# Altium PCB VOU_SOM_CV_V0.0.1.PcbDoc (part 4 of 5) (continued)
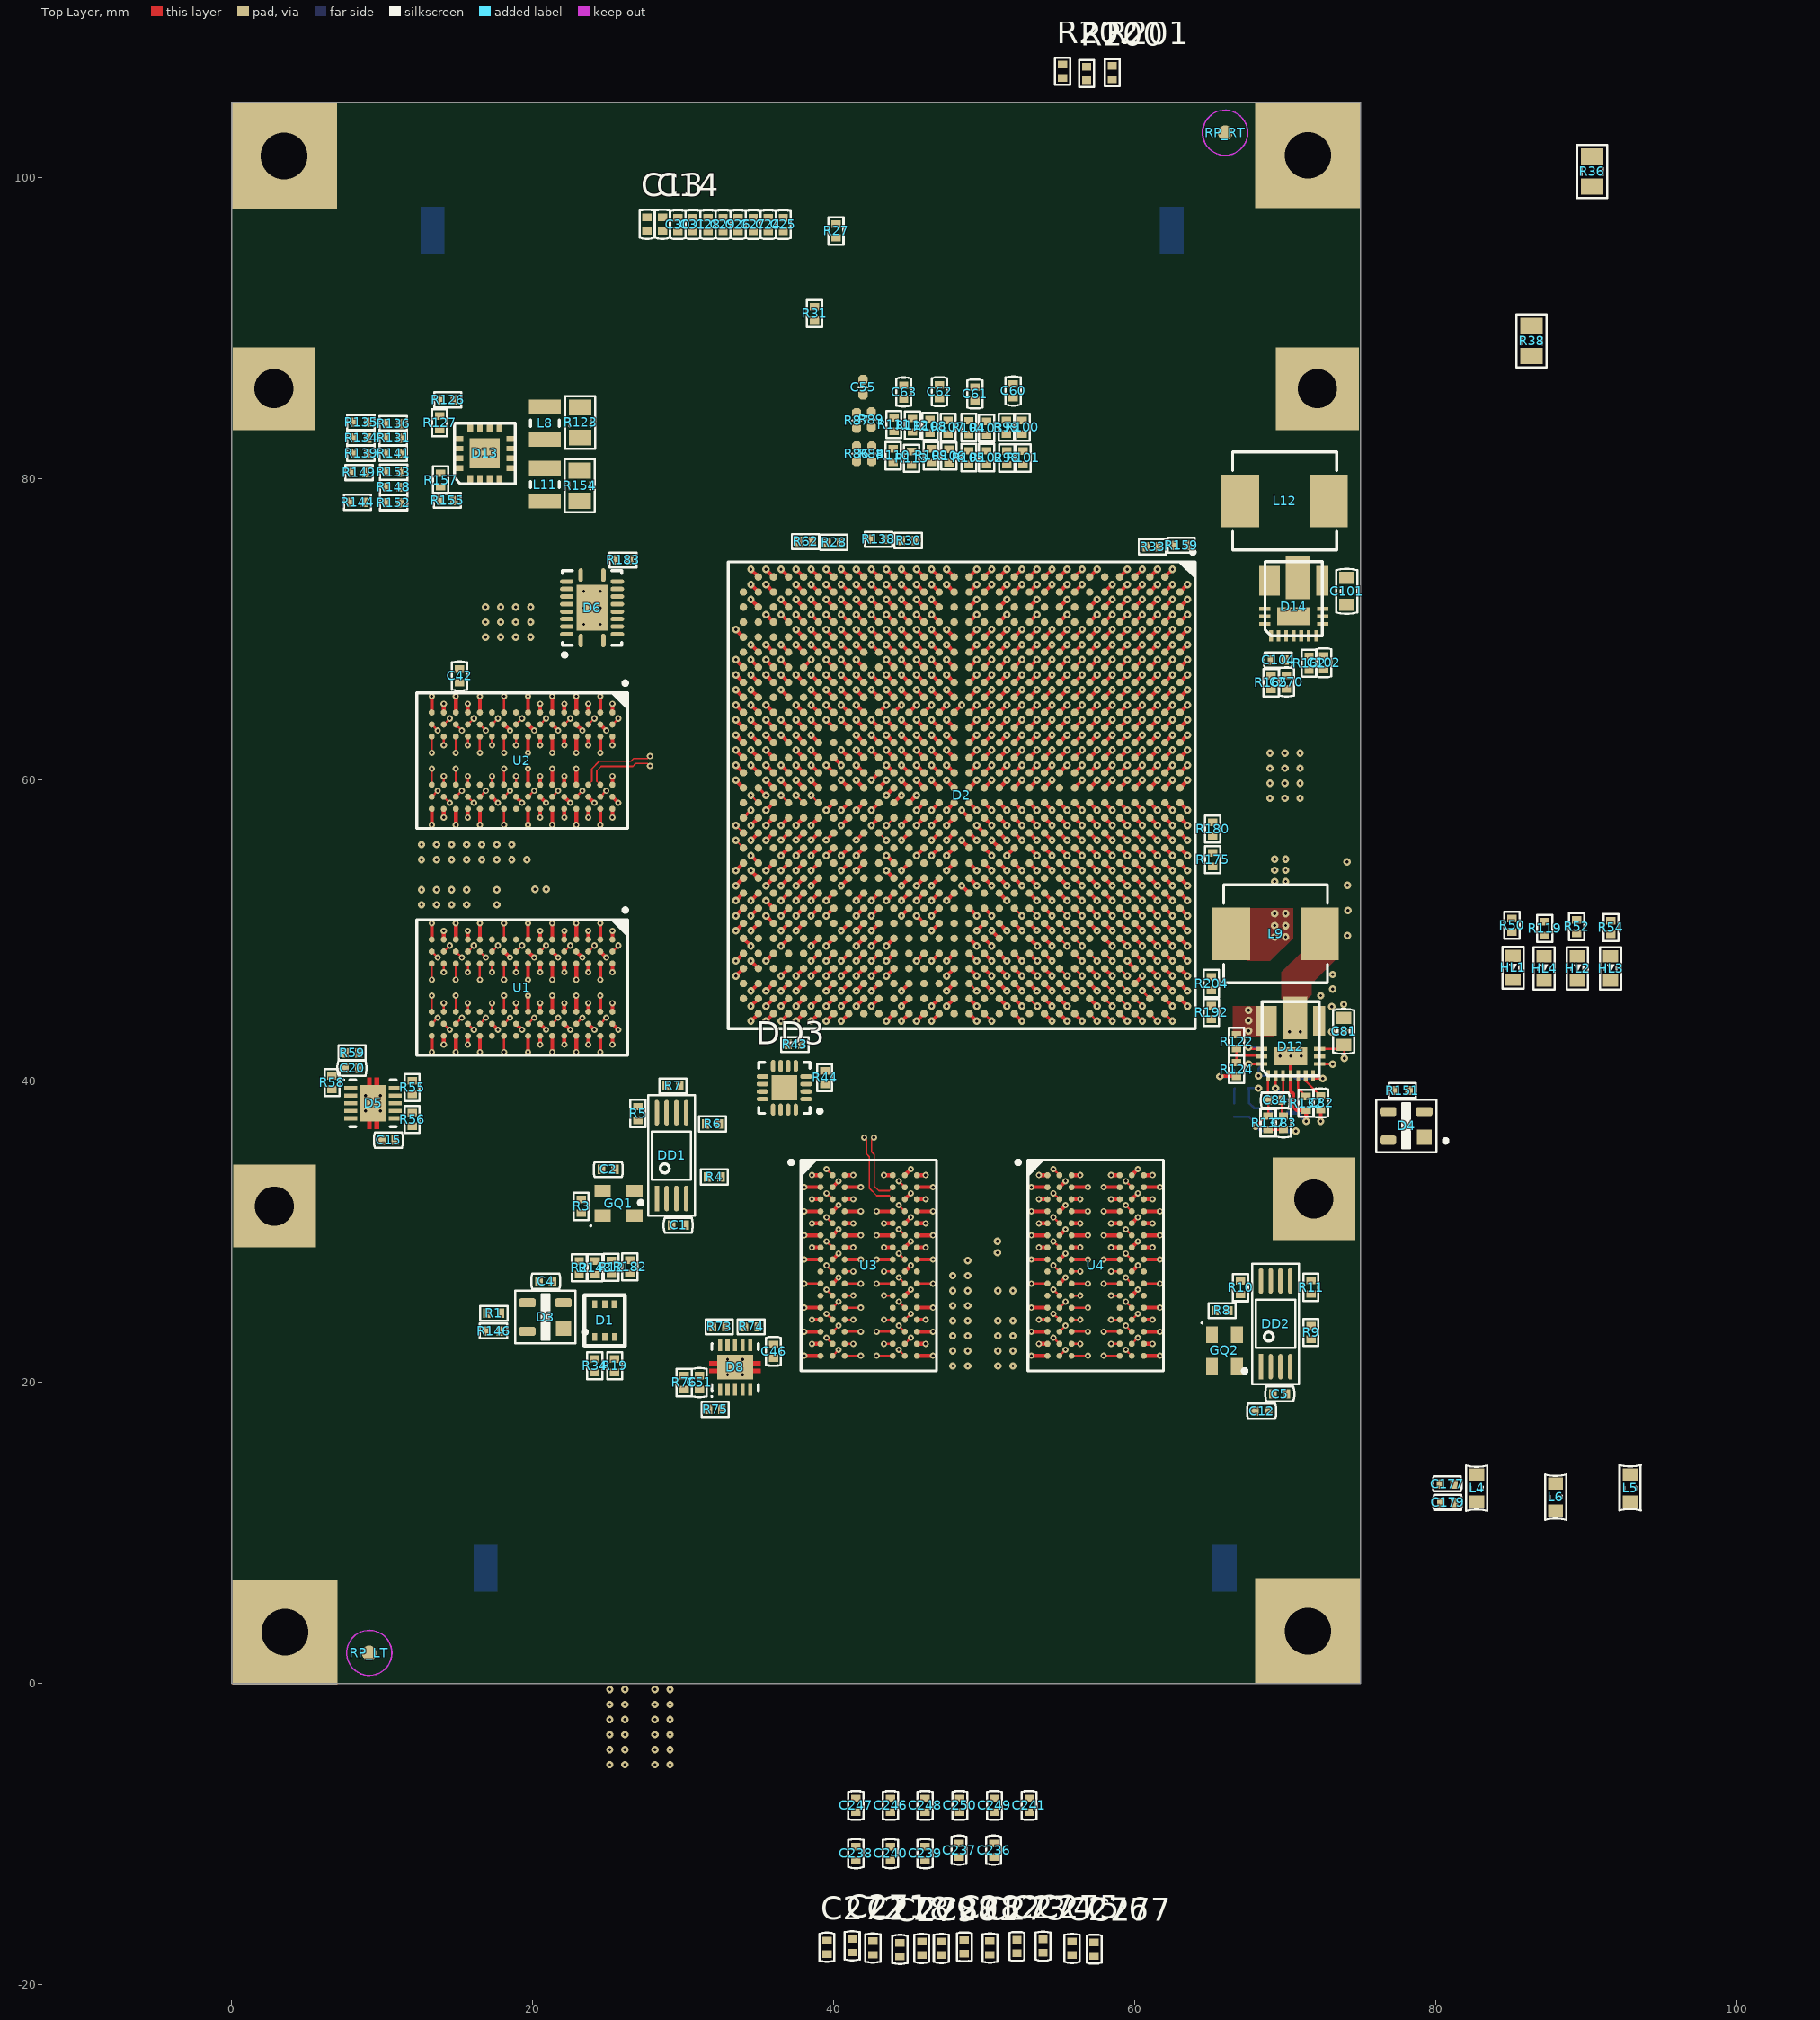
[diagram p0: Top Layer view]
## Nets (pads, with @x,y where several pads share a name; then routed paths per layer and width w, separated by ;. In a path a pad name is that pad's centre, name@x,y a point inside that pad or via, vN(x,y) a via of type N, cw(c..) or ccw(c..) an arc to the next point about the centre after c; other vN are vias at no path point) (continued)
HPS_DDR_D7: D2.G28 U4.H7 | length 21.8
  Top Layer w0.25: D2.G28@57,46.5 v1(57.5,46) ; v2(57.925,28.175) U4.H7@59,28.175
  INT3 w0.11: 57.8,45.65 58,45.45 58,43.05 60.65,40.4 60.65,30.55 58.275,28.175 v2(57.925,28.175)
HPS_DDR_D8: D2.M26 U4.D7 | length 22.8
  Top Layer w0.25: D2.M26@52,48.5 v1(52.5,48) ; v2(57.925,31.375) U4.D7@59,31.375
  INT2 w0.11: 52.85,47.7 53.05,47.5 55.65,47.5 56.075,47.075 56.075,37.4 58.975,34.5 58.975,32.05 58.3,31.375 v2(57.925,31.375)
HPS_DDR_D9: D2.M30 U4.C3 | length 14.6
  Top Layer w0.25: D2.M30@52,44.5 v1(52.5,44) ; U4.C3@55.8,32.175 v2(56.375,32.175)
  INT2 w0.11: 52.525,43.525 52.525,36.15 54.125,34.55 54.125,33.8 55.75,32.175 v2(56.375,32.175)
HPS_DDR_D10: D2.L26 U4.C8 | length 22.2
  Top Layer w0.25: D2.L26@53,48.5 53.498,48.002 v1(53.528,48.002) ; U4.C8@59.8,32.175 v2(60.2,32.575)
  INT2 w0.11: 53.85,48.325 54.05,48.525 57.7,48.525 58,48.225 58,37.3 59.825,35.475 59.825,32.95 v2(60.2,32.575)
HPS_DDR_D11: D2.M27 U4.C2 | length 16.8
  Top Layer w0.15: v2(54.6,32.575) U4.C2@55,32.175
  Top Layer w0.25: D2.M27@52,47.5 v1(52.5,47)
  INT2 w0.11: 52.2,46.7 52,46.5 52,34.75 54.175,32.575 v2(54.6,32.575)
HPS_DDR_D12: D2.K27 U4.A7 | length 15.6
  Top Layer w0.25: D2.K27@54,47.5 v1(54.5,47) ; v2(58.425,33.775) U4.A7@59,33.775
  INT2 w0.11: 54.825,46.65 54.975,46.5 54.975,37.225 v2(58.425,33.775)
HPS_DDR_D13: D2.L28 U4.A2 | length 14
  Top Layer w0.15: v2(54.6,34.175) U4.A2@55,33.775
  Top Layer w0.25: D2.L28@53,46.5 v1(53.5,46)
  INT2 w0.11: 53.075,46.262 53.075,36.25 54.6,34.725 v2(54.6,34.175)
HPS_DDR_D14: D2.K26 U4.B8 | length 18.4
  Top Layer w0.15: v2(59.4,33.375) U4.B8@59.8,32.975
  Top Layer w0.25: D2.K26@54,48.5 v1(54.5,48)
  INT2 w0.11: 55.025,48 55.7,48 56.175,47.525 56.75,47.525 56.95,47.325 56.95,37.475 59.4,35.025 v2(59.4,33.375)
HPS_DDR_D15: D2.K29 U4.A3 | length 13.3
  Top Layer w0.25: D2.K29@54,45.5 v1(54.5,45) ; U4.A3@55.8,33.775 v2(56.375,33.775)
  INT2 w0.11: 54.375,44.6 54.375,44.55 53.875,44.05 53.875,37.2 56.375,34.7 v2(56.375,33.775)
HPS_DDR_D16: D2.T26 U3.E3 | length 21.2
  Top Layer w0.25: U3.E3@40.725,30.575 v2(41.3,30.575) ; v1(47.5,48) D2.T26@48,48.5
  INT4 w0.11: v2(41.3,30.575) 40.825,31.05 40.825,36.125 47,42.3 47,47.5 47.2,47.7
HPS_DDR_D17: D2.R29 U3.F7 | length 20
  Top Layer w0.25: v2(42.85,29.775) U3.F7@43.925,29.775 ; D2.R29@49,45.5 v1(49.5,45)
  INT4 w0.11: v2(42.85,29.775) 43.275,29.775 43.85,30.35 43.85,34.525 50.025,40.7 50.025,44.5 49.825,44.7
HPS_DDR_D18: D2.U26 U3.F2 | length 21.5
  Top Layer w0.25: U3.F2@39.925,29.775 v2(40.325,30.175) ; v1(46.5,48) D2.U26@47,48.5
  INT4 w0.11: v2(40.325,30.175) 39.95,30.55 39.95,35.8 46,41.85 46,47.5 46.2,47.7
HPS_DDR_D19: D2.P27 U3.F8 | length 21.1
  Top Layer w0.15: v2(44.325,30.175) U3.F8@44.725,29.775
  Top Layer w0.25: D2.P27@50,47.5 v1(50.5,47)
  INT4 w0.11: v2(44.325,30.175) 44.325,31.2 44.75,31.625 44.75,34.825 50.975,41.05 50.975,44.275 50,45.25 50,46.55 50.175,46.725
HPS_DDR_D20: D2.N27 U3.H3 | length 29.2
  Top Layer w0.25: U3.H3@40.725,28.175 v2(41.8,28.175) ; D2.N27@51,47.5 v1(51.5,47)
  INT4 w0.11: v2(41.8,28.175) 42.2,27.775 44.275,27.775 44.75,27.3 45.25,27.3 45.75,27.8 45.75,28 47.475,29.725 47.475,35.575 53.05,41.15 53.05,46.15 52.725,46.475 52.025,46.475 51.8,46.7
HPS_DDR_D21: D2.N29 U3.H8 | length 20.8
  Top Layer w0.15: v2(44.325,28.575) U3.H8@44.725,28.175
  Top Layer w0.25: D2.N29@51,45.5 v1(51.5,45)
  INT4 w0.11: v2(44.325,28.575) 44.325,29.2 45.575,30.45 45.575,31.05 46.563,32.038 46.563,32.287 46.125,32.725 46.125,33.125 46.6,33.6 46.6,35.65 51.725,40.775 51.725,44.65 51.7,44.675
HPS_DDR_D22: D2.P26 U3.G2 | length 28.1
  Top Layer w0.15: v2(39.525,29.375) U3.G2@39.925,28.975
  Top Layer w0.25: D2.P26@50,48.5 v1(50.5,48)
  INT4 w0.11: v2(39.525,29.375) 40.125,29.375 41,28.5 41.55,28.5 41.7,28.65 42.375,28.65 43.125,29.4 44.125,29.4 44.725,30 44.725,31.175 45.625,32.075 45.625,35.25 51.35,40.975 51.35,44.55 51,44.9 51,47.5 50.8,47.7
HPS_DDR_D23: D2.N28 U3.H7 | length 24.3
  Top Layer w0.25: v2(42.85,28.175) U3.H7@43.925,28.175 ; D2.N28@51,46.5 v1(51.5,46)
  INT4 w0.11: v2(42.85,28.175) 44.625,28.175 45.525,29.075 45.525,29.275 47.05,30.8 47.05,35.6 52.1,40.65 52.1,43.813 52.085,43.828 52.085,44.172 52.1,44.187 52.1,44.813 52.085,44.828 52.085,45.172 52.1,45.187 52.1,45.4 51.825,45.675
HPS_DDR_D24: D2.P25 U3.D7 | length 23.9
  Top Layer w0.25: v2(42.85,31.375) U3.D7@43.925,31.375 ; D2.P25@50,49.5 v1(50.5,49)
  INT5 w0.11: v2(42.85,31.375) 45.9,31.375 47.025,32.5 47.075,32.5 49.425,34.85 49.425,36.525 50,37.1 50,48.525 50.125,48.65
HPS_DDR_D25: D2.P24 U3.C3 | length 22.8
  Top Layer w0.25: U3.C3@40.725,32.175 v2(41.3,32.175) ; v1(49.5,50) D2.P24@50,50.5
  INT5 w0.11: v2(41.3,32.175) 42.45,32.175 48.125,37.85 48.125,48.35 49.025,49.25 49.025,49.525 49.2,49.7
HPS_DDR_D26: D2.R27 U3.C8 | length 17.3
  Top Layer w0.25: U3.C8@44.725,32.175 v2(45.125,32.575) ; D2.R27@49,47.5 v1(49.5,47)
  INT5 w0.11: v2(45.125,32.575) 45.525,32.575 48.975,36.025 48.975,46.425 49.2,46.65
HPS_DDR_D27: D2.V30 U3.C2 | length 16.1
  Top Layer w0.15: v2(39.525,32.575) U3.C2@39.925,32.175
  Top Layer w0.25: v1(45.5,44) D2.V30@46,44.5
  INT5 w0.11: v2(39.525,32.575) 40.25,32.575 40.875,33.2 40.875,34.05 41.1,34.275 42.625,34.275 45.5,37.15 45.5,43.575
HPS_DDR_D28: D2.T29 U3.A7 | length 13.8
  Top Layer w0.25: v2(43.35,33.775) U3.A7@43.925,33.775 ; v1(47.5,45) D2.T29@48,45.5
  INT5 w0.11: v2(43.35,33.775) 47.5,37.925 47.5,44.55
HPS_DDR_D29: D2.W29 U3.A2 | length 15.6
  Top Layer w0.15: v2(39.525,34.175) U3.A2@39.925,33.775
  Top Layer w0.25: v1(44.5,45) D2.W29@45,45.5
  INT5 w0.11: v2(39.525,34.175) 40.225,34.875 42.65,34.875 45,37.225 45,44.5 44.8,44.7
HPS_DDR_D30: D2.R26 U3.B8 | length 18
  Top Layer w0.15: v2(44.325,33.375) U3.B8@44.725,32.975
  Top Layer w0.25: D2.R26@49,48.5 v1(49.5,48)
  INT5 w0.11: v2(44.325,33.375) 45,33.375 48.525,36.9 48.525,47 49.175,47.65
HPS_DDR_D31: D2.T28 U3.A3 | length 16.5
  Top Layer w0.25: U3.A3@40.725,33.775 v2(41.3,33.775) ; v1(47.5,46) D2.T28@48,46.5
  INT5 w0.11: v2(41.3,33.775) 42.65,33.775 47,38.125 47,45.5 47.225,45.725
HPS_DDR_DM0: D2.K28 U4.E7 | length 20.1
  Top Layer w0.25: D2.K28@54,46.5 v1(54.5,46) ; v2(58.425,30.575) U4.E7@59,30.575
  INT3 w0.11: v1(54.5,46) 54.975,46.475 55.775,46.475 56,46.25 56,42.55 57.9,40.65 57.9,33.675 58.375,33.2 58.375,32.8 57.95,32.375 57.95,31.9 58.425,31.425 v2(58.425,30.575)
HPS_DDR_DM1: D2.M28 U4.D3 | length 17.7
  Top Layer w0.25: D2.M28@52,46.5 v1(52.5,46) ; U4.D3@55.8,31.375 v2(56.875,31.375)
  INT2 w0.11: 53.85,45.675 54,45.525 54,44.775 53.55,44.325 53.55,36.675 55.875,34.35 55.875,33.25 56.875,32.25 v2(56.875,31.375)
HPS_DDR_DM2: D2.R28 U3.E7 | length 19.6
  Top Layer w0.15: D2.R28@49,46.5 v1(49.5,46)
  Top Layer w0.25: v2(43.35,30.575) U3.E7@43.925,30.575
  INT4 w0.11: v2(43.35,30.575) 43.35,32.475 42.925,32.9 42.925,34.05 49.025,40.15 49.025,45.525 v1(49.5,46)
HPS_DDR_DM3: D2.W30 U3.D3 | length 20.4
  Top Layer w0.25: U3.D3@40.725,31.375 v2(41.8,31.375) ; v1(44.5,44) D2.W30@45,44.5
  INT5 w0.11: v2(41.8,31.375) 39.875,31.375 39.025,32.225 39.025,34.225 40.15,35.35 42.575,35.35 43.85,36.625 43.85,43.35 v1(44.5,44)
HPS_DDR_DQS0_N: D2.M19 U4.G3 | length 33.7
  Top Layer w0.25: v1(51.5,55) D2.M19@52,55.5 ; U4.G3@55.8,28.975 v2(56.375,28.975)
  INT3 w0.08: v1(51.5,55) 51.89,55.39 52.05,55.39 52.325,55.115 52.325,54.875 51.88,54.43 51.88,38.675 52.355,38.2 52.355,29.409 53.609,28.155 54.33,28.155 55.55,29.375 55.975,29.375 v2(56.375,28.975)
HPS_DDR_DQS0_P: D2.N18 U4.F3 | length 34.6
  Top Layer w0.25: D2.N18@51,56.5 v1(51.5,56) ; U4.F3@55.8,29.775 v2(56.875,29.775)
  INT3 w0.08: v1(51.5,56) 51.89,55.61 52.141,55.61 52.545,55.206 52.545,54.784 52.1,54.339 52.1,38.766 52.575,38.291 52.575,29.5 53.7,28.375 54.239,28.375 55.459,29.595 56.066,29.595 56.131,29.531 56.375,29.775 v2(56.875,29.775)
HPS_DDR_DQS1_N: D2.N24 U4.B7 | length 28.2
  Top Layer w0.25: D2.N24@51,50.5 v1(51.5,50) ; v2(57.925,32.975) U4.B7@59,32.975
  INT2 w0.08: v1(51.5,50) 51.095,49.595 51.095,34.571 52.5,33.166 52.5,32.775 53.505,31.77 54.666,31.77 56.241,30.195 56.509,30.195 57.325,31.011 57.325,32 57.925,32.6 v2(57.925,32.975)
HPS_DDR_DQS1_P: D2.N25 U4.C7 | length 28.1
  Top Layer w0.25: v1(50.5,50) D2.N25@51,49.5 ; v2(58.425,32.175) U4.C7@59,32.175
  INT2 w0.08: v1(50.5,50) 50.875,49.625 50.875,34.48 52.28,33.075 52.28,32.684 53.414,31.55 54.575,31.55 56.15,29.975 56.6,29.975 57.525,30.9 57.525,31.9 57.8,32.175 v2(58.425,32.175)
HPS_DDR_DQS2_N: D2.R18 U3.G3 | length 31.9
  Top Layer w0.25: U3.G3@40.725,28.975 v2(41.3,28.975) ; D2.R18@49,56.5 v1(49.5,56)
  INT4 w0.08: 41.875,29.08 42.166,29.08 42.42,29.334 42.42,34.659 48.314,40.553 48.314,52.261 47.875,52.7 47.875,53.214 49.11,54.449 49.11,55.61 v1(49.5,56)
HPS_DDR_DQS2_P: D2.R19 U3.F3 | length 32
  Top Layer w0.25: U3.F3@40.725,29.775 v2(41.8,29.775) ; v1(48.5,56) D2.R19@49,55.5
  INT4 w0.08: 41.875,29.3 42.075,29.3 42.2,29.425 42.2,34.75 48.094,40.644 48.094,52.169 47.655,52.609 47.655,53.305 48.89,54.54 48.89,55.61 v1(48.5,56)
HPS_DDR_DQS3_N: D2.R21 U3.B7 | length 26.7
  Top Layer w0.1: v2(42.675,36.275) 42.515,36.115 42.515,35.325 42.7,35.14 42.7,33.04 43,32.74 43.69,32.74 U3.B7@43.925,32.975
  Top Layer w0.25: D2.R21@49,53.5 v1(49.5,53)
  INT5 w0.08: v2(42.675,36.275) 42.46,36.49 42.46,43.76 43.764,45.064 43.764,46.003 44.595,46.834 44.595,48.209 45.406,49.019 47.931,49.019 48.545,49.634 48.545,51.319 49.11,51.884 49.11,52.61 v1(49.5,53)
HPS_DDR_DQS3_P: D2.R22 U3.C7 | length 27.3
  Top Layer w0.1: v2(42.025,36.275) 42.185,36.115 42.185,35.188 42.37,35.003 42.37,32.903 42.863,32.41 43.69,32.41 U3.C7@43.925,32.175
  Top Layer w0.25: v1(48.5,53) D2.R22@49,52.5
  INT5 w0.08: v2(42.025,36.275) 42.24,36.49 42.24,43.851 43.544,45.156 43.544,46.094 44.375,46.925 44.375,48.3 45.314,49.239 47.839,49.239 48.325,49.725 48.325,51.41 48.89,51.975 48.89,52.61 v1(48.5,53)
HPS_DDR_ODT: D2.H28 R66.1 U3.K1 U4.K1 | length 42.2
  Top Layer w0.15: v2(38.05,26.575) U3.K1@39.125,26.575 ; v2(53.125,26.575) U4.K1@54.2,26.575 ; D2.H28@56,46.5 v1(56.5,46)
  INT2 w0.11: v2(38.05,26.575) 41.1,26.575 41.5,26.975 43.625,26.975 44.125,27.475 44.775,27.475 45.15,27.1 v1(47.9,27.1) 48.425,27.625 52.425,27.625 53.125,26.925 v2(53.125,26.575)
  INT4 w0.11: v1(47.9,27.1) 48.4,27.6 48.4,28.375 50.275,30.25 50.275,35.5 56.95,42.175 56.95,45.55 v1(56.5,46)
HPS_DDR_RAS#: D2.D30 R66.3 U3.J3 U4.J3 | length 40.7
  Top Layer w0.15: U3.J3@40.725,27.375 v2(41.3,27.375) ; U4.J3@55.8,27.375 v2(56.375,27.375) ; D2.D30@60,44.5 v1(60.5,44)
  INT2 w0.11: v2(41.3,27.375) 42.725,27.375 43.2,27.85 44.5,27.85 44.9,28.25 45.4,28.25 46,27.65 47.45,27.65 47.9,28.1 v1(48.9,28.1) 52.3,28.1 53.025,27.375 v2(56.375,27.375)
  INT4 w0.11: v1(48.9,28.1) 50.95,30.15 50.95,35.2 57.95,42.2 57.95,44.15 58.275,44.475 59.875,44.475 60.35,44 v1(60.5,44)
HPS_DDR_RST#: D2.P30 R71.2 U3.T2 U4.T2 | length 18.3
  Top Layer w0.15: U3.T2@39.925,21.775 v2(40.325,22.175) ; D2.P30@50,44.5 v1(50.5,44) ; U4.T2@55,21.775 v2(55.4,22.175)
  INT3 w0.11: v2(40.325,22.175) 43.15,22.175 44.225,21.1 v1(47.9,21.1) 48.475,20.525 53.75,20.525 v2(55.4,22.175)
HPS_DDR_WE#: D2.C28 R66.5 U3.L3 U4.L3 | length 65.6
  Top Layer w0.15: U3.L3@40.725,25.775 v2(41.3,25.775) ; U4.L3@55.8,25.775 v2(56.375,25.775) ; D2.C28@61,46.5 v1(61.5,46)
  INT2 w0.11: v2(41.3,25.775) 42.55,25.775 42.975,25.35 43.575,25.35 44.025,25.8 47.25,25.8 47.425,25.625 48.275,25.625 48.75,26.1 v1(48.9,26.1) 49.625,25.375 54.1,25.375 54.5,25.775 v2(56.375,25.775)
  INT5 w0.11: v1(48.9,26.1) 48.575,26.1 48.075,25.6 47.675,25.6 47.35,25.275 47.35,20.9 49.1,19.15 59.85,19.15 62.15,21.45 62.15,43.35 62,43.5 62,45.5 v1(61.5,46)
HPS_FLASH_D0: D2.C20 D9.5 | length 0.7
  Top Layer w0.25: D2.C20@61,54.5 v1(61.5,54)
HPS_FLASH_D1: D2.H18 D9.2 | length 0.7
  Top Layer w0.25: D2.H18@56,56.5 v1(56.5,56)
HPS_FLASH_D2: D2.A19 D9.3 | length 0.7
  Top Layer w0.25: D2.A19@63,55.5 v1(63.5,55)
HPS_FLASH_D3: D2.E19 D9.7 | length 0.7
  Top Layer w0.25: D2.E19@59,55.5 v1(59.5,55)
HPS_FLASH_DCLK: D2.D19 R194.2 | length 0.7
  Top Layer w0.25: D2.D19@60,55.5 v1(60.5,55)
HPS_GPIO0: D2.C19 R25.11 | length 0.7
  Top Layer w0.25: D2.C19@61,55.5 v1(61.5,55)
HPS_GPIO0_R: R25.6 X1.106
HPS_GPIO1: D2.B17 R25.12 | length 0.7
  Top Layer w0.25: D2.B17@62,57.5 v1(62.5,57)
HPS_GPIO1_R: R25.5 X1.153
HPS_GPIO2: D2.H17 R25.13 | length 0.7
  Top Layer w0.25: D2.H17@56,57.5 v1(56.5,57)
HPS_GPIO2_R: R25.4 X1.155
HPS_GPIO3: D2.C18 R25.14 | length 0.7
  Top Layer w0.25: D2.C18@61,56.5 v1(61.5,56)
HPS_GPIO3_R: R25.3 X1.157
HPS_GPIO4: D2.G17 R25.15 | length 0.7
  Top Layer w0.25: D2.G17@57,57.5 v1(57.5,57)
HPS_GPIO4_R: R25.2 X1.159
HPS_GPIO5: D2.E18 R25.16 | length 0.7
  Top Layer w0.25: D2.E18@59,56.5 v1(59.5,56)
HPS_GPIO5_R: R25.1 X1.148
HPS_GPIO6: D2.E17 R24.9 | length 0.7
  Top Layer w0.25: D2.E17@59,57.5 v1(59.5,57)
HPS_GPIO6_R: R24.8 X1.150
HPS_GPIO7: D2.B26 R24.10 | length 0.7
  Top Layer w0.25: D2.B26@62,48.5 v1(62.5,48)
HPS_GPIO7_R: R24.7 X1.152
HPS_GPIO8: D2.E24 R24.11 | length 0.7
  Top Layer w0.25: D2.E24@59,50.5 v1(59.5,50)
HPS_GPIO8_R: R24.6 X1.154
HPS_GPIO9: D2.D24 R24.12 | length 0.7
  Top Layer w0.25: D2.D24@60,50.5 v1(60.5,50)
HPS_GPIO9_R: R24.5 X1.156
HPS_GPIO10: D2.F16 R24.13 | length 0.7
  Top Layer w0.25: D2.F16@58,58.5 v1(58.5,58)
HPS_GPIO10_R: R24.4 X1.158
HPS_GPIO11: D2.B15 R24.14 | length 0.7
  Top Layer w0.25: D2.B15@62,59.5 v1(62.5,60)
HPS_GPIO11_R: R24.3 X1.160
HPS_I2C0_CL: D2.E23 R16.16 | length 0.7
  Top Layer w0.25: D2.E23@59,51.5 v1(59.5,51)
HPS_I2C0_CL_R: R16.1 X1.69
HPS_I2C0_DA: D2.C24 R16.15 | length 0.7
  Top Layer w0.25: D2.C24@61,50.5 v1(61.5,50)
HPS_I2C0_DA_R: R16.2 X1.67
HPS_I2C1_CL: D2.H23 R22.16 | length 0.7
  Top Layer w0.25: D2.H23@56,51.5 v1(56.5,51)
HPS_I2C1_CL_R: R22.1 X1.70
HPS_I2C1_DA: D2.A25 R22.15 | length 0.7
  Top Layer w0.25: D2.A25@63,49.5 v1(63.5,49)
HPS_I2C1_DA_R: R22.2 X1.68
HPS_JTAG_TCK: D2.H22 X1.110 | length 0.7
  Top Layer w0.25: D2.H22@56,52.5 v1(56.5,52)
HPS_JTAG_TDI: D2.B27 R193.2 X1.114 | length 0.7
  Top Layer w0.25: D2.B27@62,47.5 v1(62.5,47)
HPS_JTAG_TDO: D2.B28 X1.112 | length 0.7
  Top Layer w0.25: D2.B28@62,46.5 v1(62.5,46)
HPS_JTAG_TMS: D2.A29 R192.2 X1.108 | length 0.7
  Top Layer w0.25: D2.A29@63,45.5 v1(63.5,45)
HPS_SD_CLK: D2.A16 R14.14 | length 0.7
  Top Layer w0.25: D2.A16@63,58.5 v1(63.5,58)
HPS_SD_CLK_R: R14.3 X1.61
HPS_SD_CMD: D2.F18 R14.13 | length 0.7
  Top Layer w0.25: D2.F18@58,56.5 v1(58.5,56)
HPS_SD_CMD_R: R14.4 X1.59
HPS_SD_D0: D2.G18 R14.9 | length 0.7
  Top Layer w0.25: D2.G18@57,56.5 v1(57.5,56)
HPS_SD_D0_R: R14.8 X1.51
HPS_SD_D1: D2.C17 R14.10 | length 0.7
  Top Layer w0.25: D2.C17@61,57.5 v1(61.5,57)
HPS_SD_D1_R: R14.7 X1.53
HPS_SD_D2: D2.D17 R14.11 | length 0.7
  Top Layer w0.25: D2.D17@60,57.5 v1(60.5,57)
HPS_SD_D2_R: R14.6 X1.55
HPS_SD_D3: D2.B16 R14.12 | length 0.7
  Top Layer w0.25: D2.B16@62,58.5 v1(62.5,58)
HPS_SD_D3_R: R14.5 X1.57
HPS_SPI_CS#_R: R16.6 X1.56
HPS_SPI_MISO: D2.B23 R16.12 | length 0.7
  Top Layer w0.25: D2.B23@62,51.5 v1(62.5,51)
HPS_SPI_MISO_R: R16.5 X1.58
HPS_SPI_MOSI: D2.C22 R16.13 | length 0.7
  Top Layer w0.25: D2.C22@61,52.5 v1(61.5,52)
HPS_SPI_MOSI_R: R16.4 X1.60
HPS_SPI_SCK: D2.A23 R16.14 | length 0.7
  Top Layer w0.25: D2.A23@63,51.5 v1(63.5,51)
HPS_SPI_SCK_R: R16.3 X1.62
HPS_UART0_RX: D2.B25 R14.16 | length 0.7
  Top Layer w0.25: D2.B25@62,49.5 v1(62.5,49)
HPS_UART0_RX_R: R14.1 X1.65
HPS_UART0_TX: D2.C25 R14.15 | length 0.7
  Top Layer w0.25: D2.C25@61,49.5 v1(61.5,49)
HPS_UART0_TX_R: R14.2 X1.63
HPS_UART1_RX: D2.C23 R16.10 | length 0.7
  Top Layer w0.25: D2.C23@61,51.5 v1(61.5,51)
HPS_UART1_RX_R: R16.7 X1.54
HPS_UART1_TX: D2.D22 R16.9 | length 0.7
  Top Layer w0.25: D2.D22@60,52.5 v1(60.5,52)
HPS_UART1_TX_R: R16.8 X1.52
HPS_USB_CKO: D2.N16 R23.15 | length 0.7
  Top Layer w0.25: D2.N16@51,58.5 v1(51.5,58)
HPS_USB_CKO_R: R23.2 X1.138
HPS_USB_D0: D2.E16 R17.15 | length 0.7
  Top Layer w0.25: D2.E16@59,58.5 v1(59.5,58)
HPS_USB_D0_R: R17.2 X1.122
HPS_USB_D1: D2.G16 R17.16 | length 0.7
  Top Layer w0.25: D2.G16@57,58.5 v1(57.5,58)
HPS_USB_D1_R: R17.1 X1.124
HPS_USB_D2: D2.D16 R23.9 | length 0.7
  Top Layer w0.25: D2.D16@60,58.5 v1(60.5,58)
HPS_USB_D2_R: R23.8 X1.126
HPS_USB_D3: D2.D14 R23.10 | length 0.7
  Top Layer w0.25: D2.D14@60,60.5 v1(60.5,61)
HPS_USB_D3_R: R23.7 X1.128
HPS_USB_D4: D2.A15 R23.11 | length 0.7
  Top Layer w0.25: D2.A15@63,59.5 v1(63.5,60)
HPS_USB_D4_R: R23.6 X1.130
HPS_USB_D5: D2.C14 R23.12 | length 0.7
  Top Layer w0.25: D2.C14@61,60.5 v1(61.5,61)
HPS_USB_D5_R: R23.5 X1.132
HPS_USB_D6: D2.D15 R23.13 | length 0.7
  Top Layer w0.25: D2.D15@60,59.5 v1(60.5,60)
HPS_USB_D6_R: R23.4 X1.134
HPS_USB_D7: D2.M17 R23.14 | length 0.7
  Top Layer w0.25: D2.M17@52,57.5 v1(52.5,57)
HPS_USB_D7_R: R23.3 X1.136
HPS_USB_DIR: D2.E14 R25.9 | length 0.7
  Top Layer w0.25: D2.E14@59,60.5 v1(59.5,61)
HPS_USB_DIR_R: R25.8 X1.142
HPS_USB_NXT: D2.A14 R25.10 | length 0.7
  Top Layer w0.25: D2.A14@63,60.5 v1(63.5,61)
HPS_USB_NXT_R: R25.7 X1.144
HPS_USB_STP: D2.C15 R23.16 | length 0.7
  Top Layer w0.25: D2.C15@61,59.5 v1(61.5,60)
HPS_USB_STP_R: R23.1 X1.140
HPS_WRST#: D2.C27 R151.2 | length 0.7
  Top Layer w0.25: D2.C27@61,47.5 v1(61.5,47)
INIT_DONE: D2.AD25 R118.2 | length 0.7
  Top Layer w0.25: v1(39.5,49) D2.AD25@40,49.5
LVDS0_CKI_N: D2.Y16 X2.132 | length 43
  Top Layer w0.25: D2.Y16@44,58.5 v1(44.5,59)
  INT2 w0.08: 26.555,91.6 26.555,89.034 39.78,75.809 39.78,59.784 40.174,59.39 44.11,59.39 v1(44.5,59)
LVDS0_CKI_P: D2.W15 X2.128 | length 42.7
  Top Layer w0.25: v1(44.5,60) D2.W15@45,59.5
  INT2 w0.08: 26.775,91.6 26.775,89.125 40,75.9 40,59.875 40.265,59.61 44.11,59.61 v1(44.5,60)
LVDS0_CKO: D2.AE29 R43.1 | length 0.7
  Top Layer w0.25: v1(38.5,45) D2.AE29@39,45.5
LVDS0_CKO_N: DD3.10 X2.10
LVDS0_CKO_P: DD3.9 X2.6
LVDS0_RX0_N: D2.AG11 X2.164 | length 38.7
  Top Layer w0.25: v1(36.5,64) D2.AG11@37,63.5
  INT4 w0.08: 18.555,91.175 18.555,88.754 21.284,86.025 26.525,86.025 36.89,75.66 36.89,64.39 v1(36.5,64)
LVDS0_RX0_P: D2.AF11 X2.160 | length 38.7
  Top Layer w0.25: v1(37.5,64) D2.AF11@38,63.5
  INT4 w0.08: 18.775,91.175 18.775,88.845 21.375,86.245 26.616,86.245 37.11,75.751 37.11,64.39 v1(37.5,64)
LVDS0_RX1_N: D2.AB13 X2.140 | length 38.5
  Top Layer w0.25: v1(41.5,62) D2.AB13@42,61.5
  INT4 w0.08: 24.555,91.075 24.555,89.754 25.934,88.375 28.3,88.375 41.89,74.785 41.89,62.39 v1(41.5,62)
LVDS0_RX1_P: D2.AA13 X2.136 | length 38.5
  Top Layer w0.25: v1(42.5,62) D2.AA13@43,61.5
  INT4 w0.08: 24.775,91.075 24.775,89.845 26.025,88.595 28.391,88.595 42.11,74.876 42.11,62.39 v1(42.5,62)
LVDS0_RX2_N: D2.AF13 X2.156 | length 37.6
  Top Layer w0.25: v1(37.5,62) D2.AF13@38,61.5
  INT2 w0.08: 20.555,89.975 20.555,88.884 24.164,85.275 26.825,85.275 37.89,74.21 37.89,62.39 v1(37.5,62)
LVDS0_RX2_P: D2.AE13 X2.152 | length 37.6
  Top Layer w0.25: v1(38.5,62) D2.AE13@39,61.5
  INT2 w0.08: 20.775,89.975 20.775,88.975 24.255,85.495 26.916,85.495 38.11,74.301 38.11,62.39 v1(38.5,62)
LVDS0_RX3_N: D2.AE14 X2.148 | length 40
  Top Layer w0.25: v1(38.5,61) D2.AE14@39,60.5
  INT4 w0.08: 22.63,92.075 22.63,89.504 24.809,87.325 27.075,87.325 38.89,75.51 38.89,61.39 v1(38.5,61)
LVDS0_RX3_P: D2.AD14 X2.144 | length 40
  Top Layer w0.25: v1(39.5,61) D2.AD14@40,60.5
  INT4 w0.08: 22.85,92.075 22.85,89.595 24.9,87.545 27.166,87.545 39.11,75.601 39.11,61.39 v1(39.5,61)
LVDS0_TX0_N: D2.A8 X2.18 | length 0.7
  Top Layer w0.25: D2.A8@63,66.5 v1(63.5,67)
LVDS0_TX0_P: D2.A9 X2.14 | length 0.7
  Top Layer w0.25: D2.A9@63,65.5 v1(63.5,66)
LVDS0_TX1_N: D2.B8 X2.26 | length 0.7
  Top Layer w0.25: D2.B8@62,66.5 v1(62.5,67)
LVDS0_TX1_P: D2.C8 X2.22 | length 0.7
  Top Layer w0.25: D2.C8@61,66.5 v1(61.5,67)
LVDS0_TX2_N: D2.B7 X2.34 | length 0.7
  Top Layer w0.25: D2.B7@62,67.5 v1(62.5,68)
LVDS0_TX2_P: D2.C7 X2.30 | length 0.7
  Top Layer w0.25: D2.C7@61,67.5 v1(61.5,68)
LVDS0_TX3_N: D2.A5 X2.42 | length 0.7
  Top Layer w0.25: D2.A5@63,69.5 v1(63.5,70)
LVDS0_TX3_P: D2.A6 X2.38 | length 0.7
  Top Layer w0.25: D2.A6@63,68.5 v1(63.5,69)
LVDS1_CKI_N: D2.AB27 X1.39 | length 0.7
  Top Layer w0.25: v1(41.5,47) D2.AB27@42,47.5
LVDS1_CKI_P: D2.AA26 X1.35 | length 0.7
  Top Layer w0.25: v1(42.5,48) D2.AA26@43,48.5
LVDS1_CKO: D2.AD29 R44.1 | length 0.7
  Top Layer w0.25: v1(39.5,45) D2.AD29@40,45.5
LVDS1_CKO_N: DD3.14 X1.38
LVDS1_CKO_P: DD3.13 X1.34
LVDS1_RX0_N: D2.AC27 X1.47 | length 0.7
  Top Layer w0.25: v1(40.5,47) D2.AC27@41,47.5
LVDS1_RX0_P: D2.AD26 X1.43 | length 0.7
  Top Layer w0.25: v1(39.5,48) D2.AD26@40,48.5
LVDS1_RX1_N: D2.Y21 X1.11 | length 0.7
  Top Layer w0.25: v1(43.5,54) D2.Y21@44,53.5
LVDS1_RX1_P: D2.W20 X1.15 | length 0.7
  Top Layer w0.25: v1(44.5,54) D2.W20@45,54.5
LVDS1_RX2_N: D2.AB23 X1.19 | length 0.7
  Top Layer w0.25: v1(41.5,51) D2.AB23@42,51.5
LVDS1_RX2_P: D2.AB22 X1.23 | length 0.7
  Top Layer w0.25: v1(41.5,52) D2.AB22@42,52.5
LVDS1_RX3_N: D2.AB25 X1.27 | length 0.7
  Top Layer w0.25: v1(41.5,49) D2.AB25@42,49.5
LVDS1_RX3_P: D2.AA24 X1.31 | length 0.7
  Top Layer w0.25: v1(42.5,50) D2.AA24@43,50.5
LVDS1_TX0_N: D2.AA28 X1.46 | length 0.7
  Top Layer w0.25: v1(42.5,46) D2.AA28@43,46.5
LVDS1_TX0_P: D2.AB28 X1.42 | length 0.7
  Top Layer w0.25: v1(41.5,46) D2.AB28@42,46.5
LVDS1_TX1_N: D2.AC30 X1.30 | length 0.7
  Top Layer w0.25: v1(40.5,44) D2.AC30@41,44.5
LVDS1_TX1_P: D2.AD30 X1.26 | length 0.7
  Top Layer w0.25: v1(39.5,44) D2.AD30@40,44.5
LVDS1_TX2_N: D2.AF28 X1.22 | length 0.7
  Top Layer w0.25: v1(37.5,46) D2.AF28@38,46.5
LVDS1_TX2_P: D2.AG28 X1.18 | length 0.7
  Top Layer w0.25: v1(36.5,46) D2.AG28@37,46.5
LVDS1_TX3_N: D2.AG30 X1.14 | length 0.7
  Top Layer w0.25: v1(36.5,44) D2.AG30@37,44.5
LVDS1_TX3_P: D2.AH30 X1.10 | length 0.7
  Top Layer w0.25: v1(35.5,44) D2.AH30@36,44.5
MAIN_POK: R144.2 X1.118
MIPI_CSI-2_A_CK24_2V5: D2.A11 R31.2 | length 0.7
  Top Layer w0.25: D2.A11@63,63.5 v1(63.5,64)
MIPI_CSI-2_A_I2C_CL_2V5: D2.B11 R20.16 | length 0.7
  Top Layer w0.25: D2.B11@62,63.5 v1(62.5,64)
MIPI_CSI-2_A_I2C_CL_R_2V5: R20.1 X2.84
MIPI_CSI-2_A_I2C_DA_2V5: D2.C12 R20.15 | length 0.7
  Top Layer w0.25: D2.C12@61,62.5 v1(61.5,63)
MIPI_CSI-2_A_I2C_DA_R_2V5: R20.2 X2.80
MIPI_CSI-2_B_CK24_2V5: D2.A10 R27.1 | length 0.7
  Top Layer w0.25: D2.A10@63,64.5 v1(63.5,65)
MIPI_CSI-2_B_I2C_CL_2V5: D2.C9 R20.14 | length 0.7
  Top Layer w0.25: D2.C9@61,65.5 v1(61.5,66)
MIPI_CSI-2_B_I2C_CL_R_2V5: R20.3 X2.83
MIPI_CSI-2_B_I2C_DA_2V5: D2.C10 R20.13 | length 0.7
  Top Layer w0.25: D2.C10@61,64.5 v1(61.5,65)
MIPI_CSI-2_B_I2C_DA_R_2V5: R20.4 X2.79
MIPI_CSI_CKA_HS_N: D2.G15 R96.2 R97.2 X2.35 | length 0.7
  Top Layer w0.25: D2.G15@57,59.5 v1(57.5,60)
MIPI_CSI_CKA_HS_P: D2.H15 R94.2 R95.1 X2.39 | length 0.7
  Top Layer w0.25: D2.H15@56,59.5 v1(56.5,60)
MIPI_CSI_CKA_LP_N: D2.G13 R96.1 | length 0.7
  Top Layer w0.25: D2.G13@57,61.5 v1(57.5,62)
MIPI_CSI_CKA_LP_P: D2.H14 R94.1 | length 0.7
  Top Layer w0.25: D2.H14@56,60.5 v1(56.5,61)
MIPI_CSI_CKB_HS_N: D2.J14 R116.2 R117.2 X2.133 | length 0.7
  Top Layer w0.25: D2.J14@55,60.5 v1(55.5,61)
MIPI_CSI_CKB_HS_P: D2.K14 R114.2 R115.1 X2.129 | length 0.7
  Top Layer w0.25: D2.K14@54,60.5 v1(54.5,61)
MIPI_CSI_CKB_LP_N: D2.B5 R117.1 | length 0.7
  Top Layer w0.25: D2.B5@62,69.5 v1(62.5,70)
MIPI_CSI_CKB_LP_P: D2.B6 R114.1 | length 0.7
  Top Layer w0.25: D2.B6@62,68.5 v1(62.5,69)
MIPI_CSI_DA0_HS_N: D2.F14 R80.2 R81.2 X2.3 | length 0.7
  Top Layer w0.25: D2.F14@58,60.5 v1(58.5,61)
MIPI_CSI_DA0_HS_P: D2.F15 R78.2 R79.1 X2.7 | length 0.7
  Top Layer w0.25: D2.F15@58,59.5 v1(58.5,60)
MIPI_CSI_DA0_LP_N: D2.G11 R80.1 | length 0.7
  Top Layer w0.25: D2.G11@57,63.5 v1(57.5,64)
MIPI_CSI_DA0_LP_P: D2.G12 R78.1 | length 0.7
  Top Layer w0.25: D2.G12@57,62.5 v1(57.5,63)
MIPI_CSI_DA1_HS_N: D2.E13 R84.2 R85.2 X2.11 | length 0.7
  Top Layer w0.25: D2.E13@59,61.5 v1(59.5,62)
MIPI_CSI_DA1_HS_P: D2.F13 R82.2 R83.1 X2.15 | length 0.7
  Top Layer w0.25: D2.F13@58,61.5 v1(58.5,62)
MIPI_CSI_DA1_LP_N: D2.F10 R84.1 | length 0.7
  Top Layer w0.25: D2.F10@58,64.5 v1(58.5,65)
MIPI_CSI_DA1_LP_P: D2.G10 R82.1 | length 0.7
  Top Layer w0.25: D2.G10@57,64.5 v1(57.5,65)
MIPI_CSI_DA2_HS_N: D2.D12 R88.2 R89.2 X2.19 | length 0.7
  Top Layer w0.25: D2.D12@60,62.5 v1(60.5,63)
MIPI_CSI_DA2_HS_P: D2.E12 R86.2 R87.1 X2.23 | length 0.7
  Top Layer w0.25: D2.E12@59,62.5 v1(59.5,63)
MIPI_CSI_DA2_LP_N: D2.E11 R88.1 | length 0.7
  Top Layer w0.25: D2.E11@59,63.5 v1(59.5,64)
MIPI_CSI_DA2_LP_P: D2.F11 R86.1 | length 0.7
  Top Layer w0.25: D2.F11@58,63.5 v1(58.5,64)
MIPI_CSI_DA3_HS_N: D2.B12 R92.2 R93.2 X2.27 | length 0.7
  Top Layer w0.25: D2.B12@62,62.5 v1(62.5,63)